# Altium PCB MachChoCaAn.PcbDoc
Units mil, origin at the board's own origin, x right, y up, seen from the top; angles counter-clockwise.
Board outline 1600 x 1725 mil, 2 copper layers (Top Layer, Bottom Layer); 38 components, 30 nets, 129 pads, 17 vias.
Unrouted connection lines stored in the file: 1.
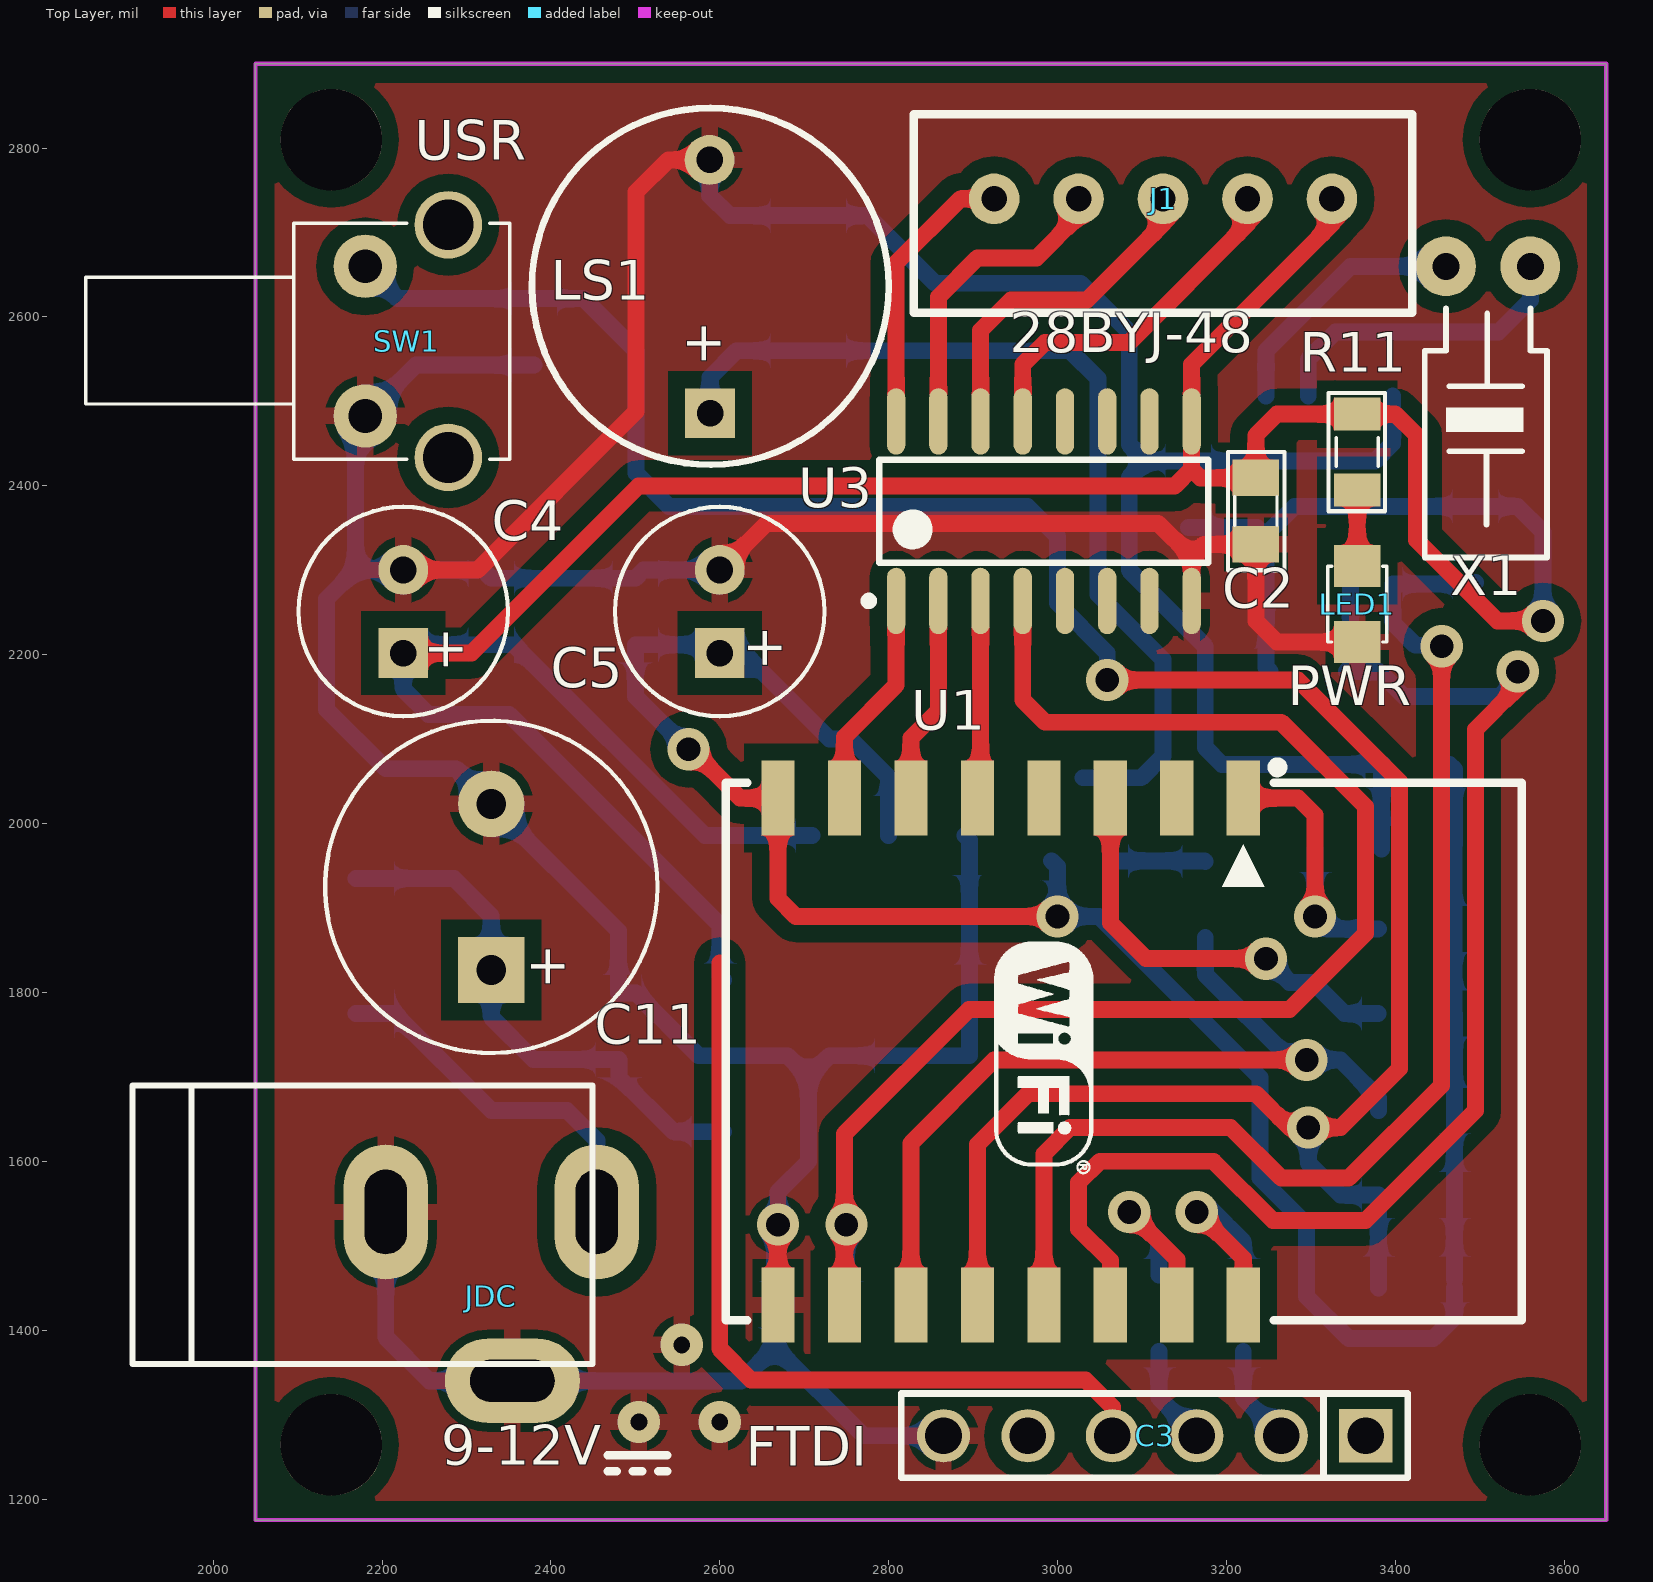
[diagram p0: Top Layer view]
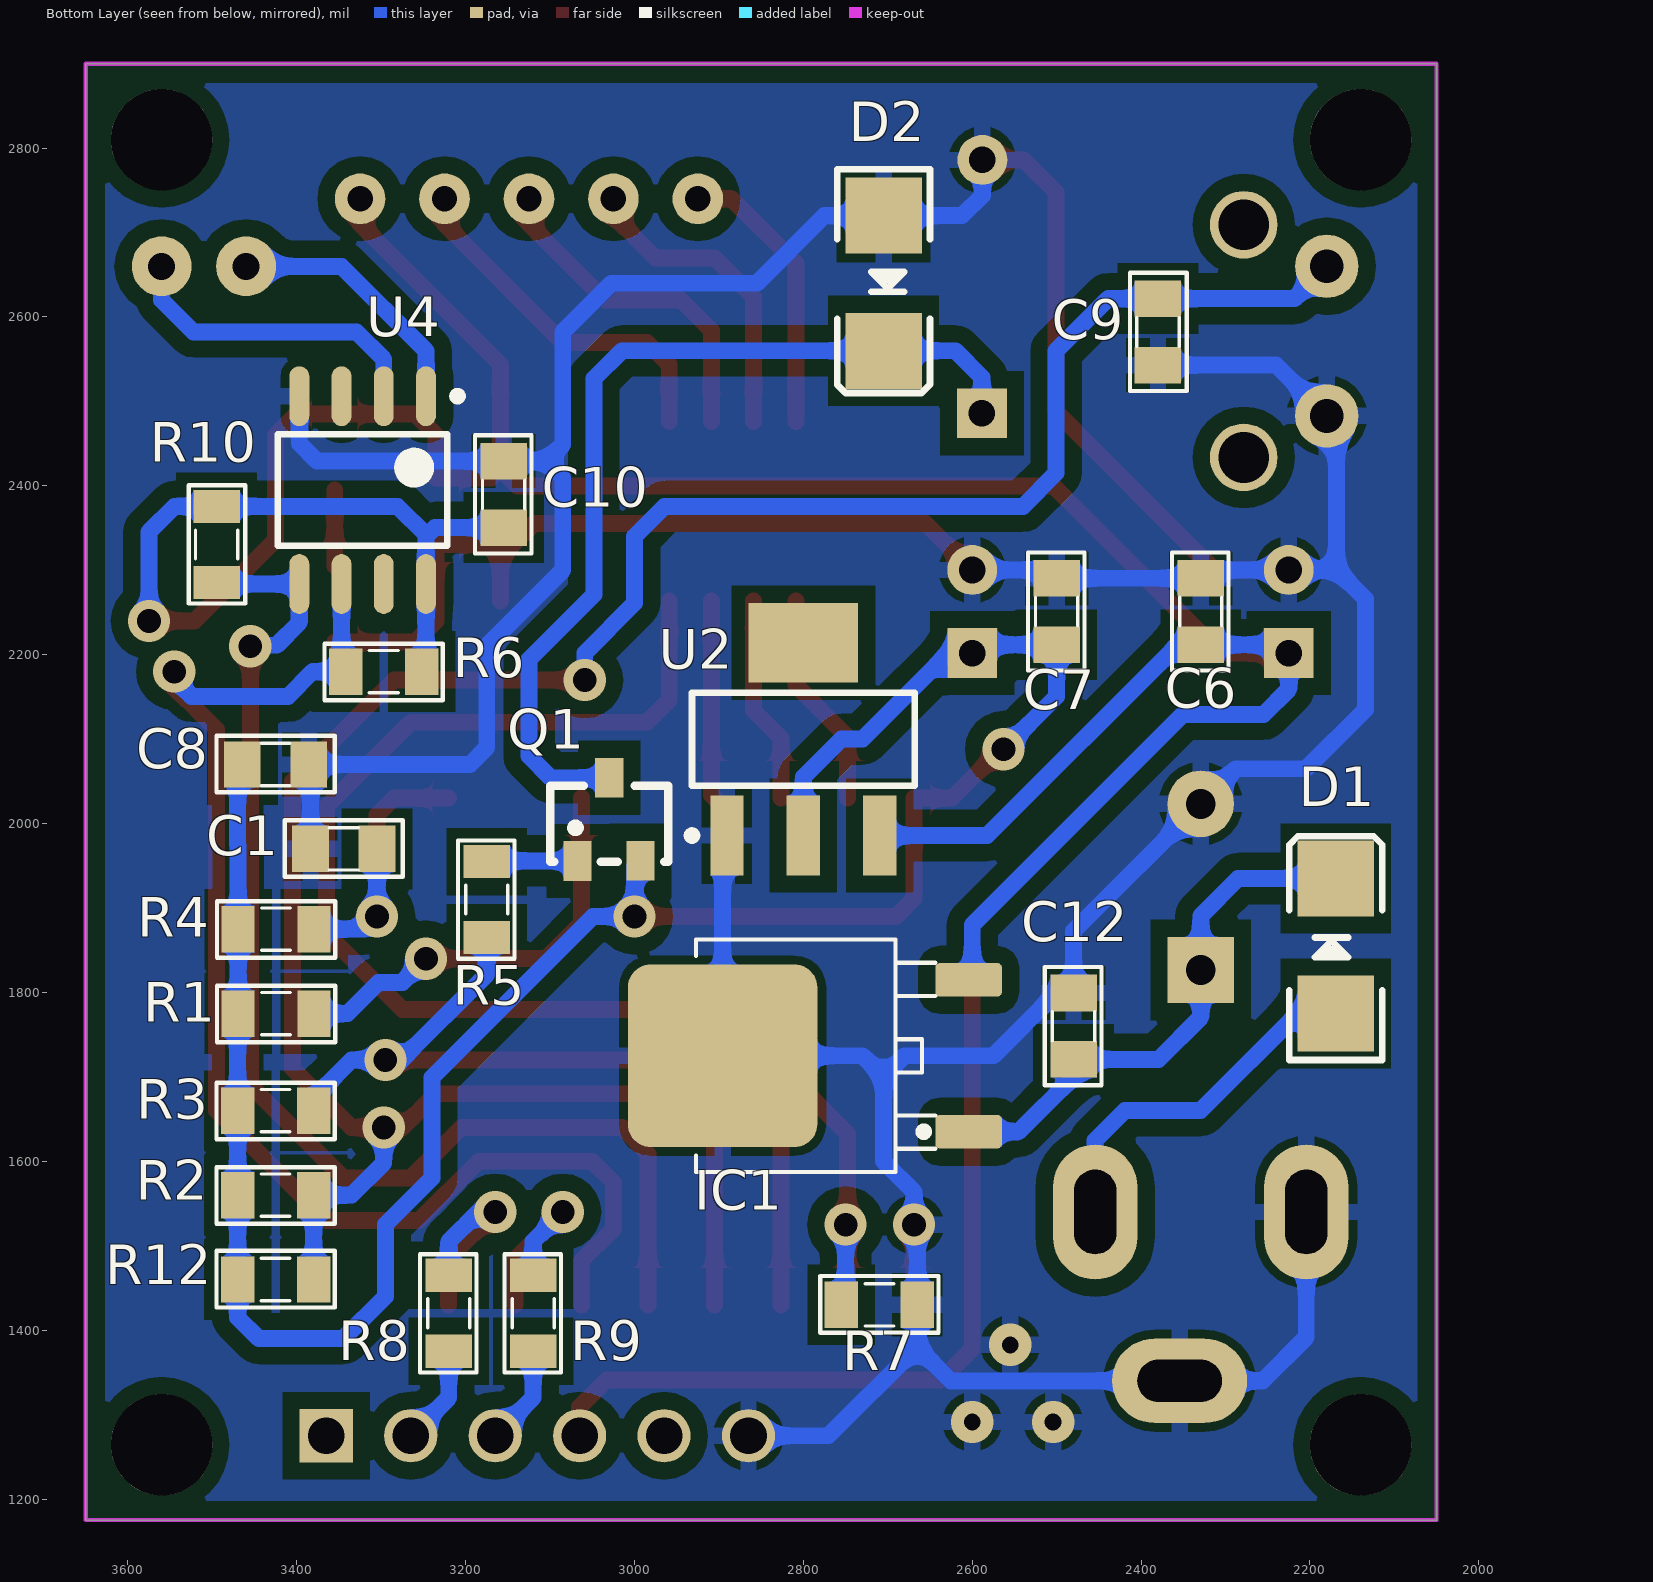
[diagram p1: Bottom Layer view, seen from below]
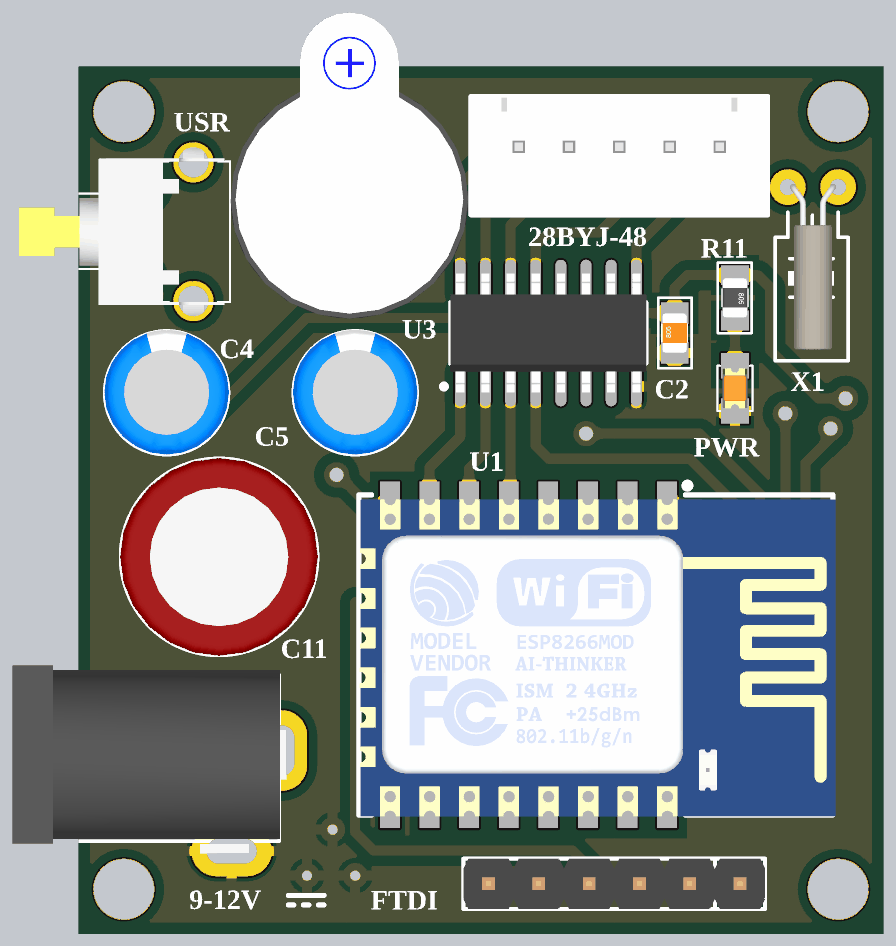
[diagram p2: 3D render of the assembled board from above, using the file's embedded part models]
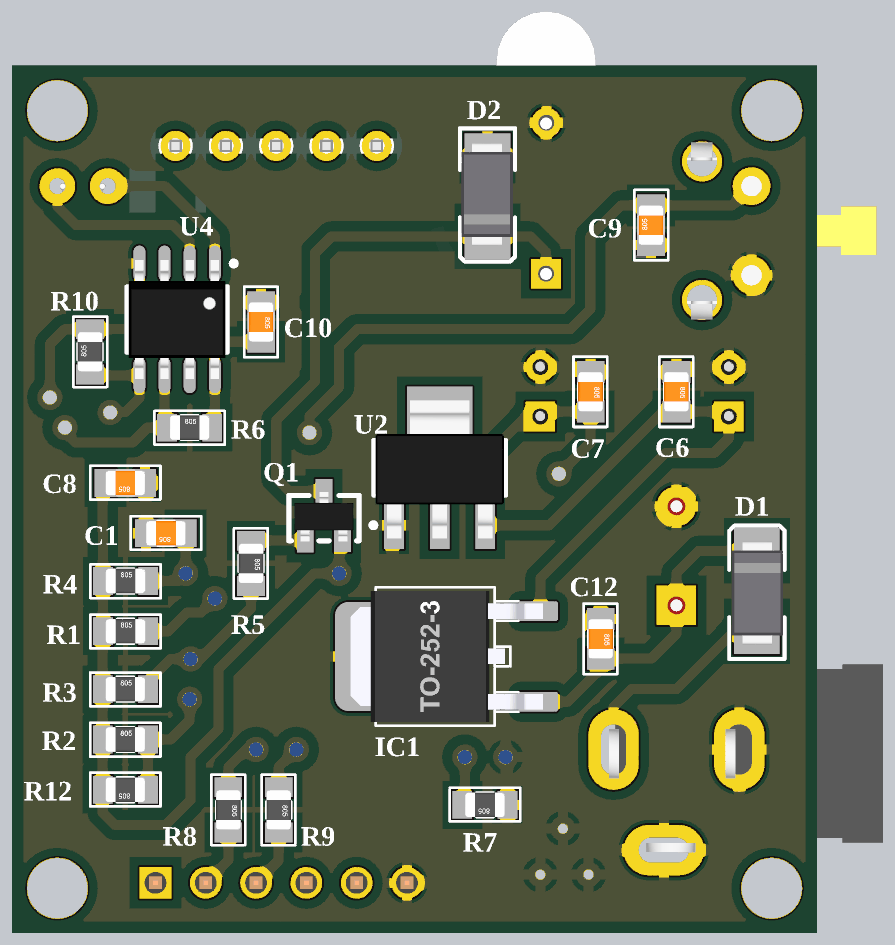
[diagram p3: 3D render of the assembled board from below, using the file's embedded part models]

## Layer stack, top to bottom
Top Solder: solder mask 0.4, Solder Resist, Dk 3.5
Top Layer: signal copper 1.4
Dielectric 1: dielectric 12.6, FR-4, Dk 4.8
Bottom Layer: signal copper 1.4
Bottom Solder: solder mask 0.4, Solder Resist, Dk 3.5

## Board outline
2050,1175 2050,2900 3650,2900 3650,1175
cut-out: 4828,282.5

## Design rules (kind name [scope] priority, off if disabled: settings)
Clearance Clearance_11 [InNamedPolygon('Top Layer-GND')] p1: gap=20 ignorepadtopadclearanceinfootprint=FALSE
Clearance Clearance_10 [InNamedPolygon('Bottom Layer-GND')] p2: gap=20 ignorepadtopadclearanceinfootprint=FALSE
Clearance Clearance_9 [InNamedPolygon('Bottom Layer-No Net')] p3: gap=20 ignorepadtopadclearanceinfootprint=FALSE
Clearance Clearance_8 [InNamedPolygon('Bottom Layer-GND')] p4: gap=20 ignorepadtopadclearanceinfootprint=FALSE
Clearance Clearance_7 [InNamedPolygon('Bottom Layer-GND')] p5: gap=20 ignorepadtopadclearanceinfootprint=FALSE
Clearance Clearance_6 [InNamedPolygon('Top Layer-GND')] p6: gap=20 ignorepadtopadclearanceinfootprint=FALSE
Clearance Clearance_5 [InNamedPolygon('Top Layer-GND') Or  InNamedPolygon('Bottom Layer-GND')] p7: gap=20 ignorepadtopadclearanceinfootprint=FALSE
Clearance Clearance_4 [InNamedPolygon('Top Layer-GND') Or  InNamedPolygon('Bottom Layer-GND')] p8: gap=25 ignorepadtopadclearanceinfootprint=FALSE
Clearance Clearance_3 [InNamedPolygon('Bottom Layer-GND')] p9: gap=25 ignorepadtopadclearanceinfootprint=FALSE
Clearance Clearance_2 [InNamedPolygon('Top Layer-GND')] p10: gap=25 ignorepadtopadclearanceinfootprint=FALSE
Clearance Clearance_1 [InNamedPolygon('Bottom Layer-GND')] p11: gap=25 ignorepadtopadclearanceinfootprint=FALSE
Clearance [All] p12: gap=10 ignorepadtopadclearanceinfootprint=FALSE except(0: Arc-Hole Track-Hole SMDPad-Hole THPad-Hole Via-Hole Fill-Hole Poly-Hole Region-Hole Text-Hole)
PlaneConnect [All] p1: planeconnectstyle=Relief reliefexpansion=20 reliefentries=4 reliefconductorwidth=20 reliefairgap=10
PolygonConnect PolygonConnect_17 [All vs IsNamedPolygon('Top Layer-GND')] p1: connectstyle=Relief reliefconductorwidth=20 reliefentries=4 polygonreliefangle="90 Angle" airgapwidth=10
PolygonConnect PolygonConnect_16 [All vs IsNamedPolygon('Bottom Layer-GND')] p2: connectstyle=Relief reliefconductorwidth=20 reliefentries=4 polygonreliefangle="90 Angle" airgapwidth=10
PolygonConnect PolygonConnect_15 [All vs IsNamedPolygon('Top Layer-GND')] p3: connectstyle=Relief reliefconductorwidth=20 reliefentries=4 polygonreliefangle="90 Angle" airgapwidth=10
PolygonConnect PolygonConnect_14 [All vs IsNamedPolygon('Bottom Layer-No Net')] p4: connectstyle=Relief reliefconductorwidth=20 reliefentries=4 polygonreliefangle="90 Angle" airgapwidth=10
PolygonConnect PolygonConnect_13 [All vs IsNamedPolygon('Bottom Layer-No Net')] p5: thpad.connectstyle=Relief thpad.reliefconductorwidth=20 thpad.reliefentries=4 thpad.polygonreliefangle="90 Angle" thpad.airgapwidth=10 smdpad.connectstyle=Relief smdpad.reliefconductorwidth=20 smdpad.reliefentries=4 smdpad.polygonreliefangle="90 Angle" smdpad.airgapwidth=10 via.connectstyle=Relief via.reliefconductorwidth=10 via.reliefentries=4 via.polygonreliefangle="90 Angle" via.airgapwidth=10
PolygonConnect PolygonConnect_12 [All vs IsNamedPolygon('Top Layer-GND')] p6: thpad.connectstyle=Relief thpad.reliefconductorwidth=20 thpad.reliefentries=4 thpad.polygonreliefangle="90 Angle" thpad.airgapwidth=10 smdpad.connectstyle=Relief smdpad.reliefconductorwidth=20 smdpad.reliefentries=4 smdpad.polygonreliefangle="90 Angle" smdpad.airgapwidth=10 via.connectstyle=Relief via.reliefconductorwidth=10 via.reliefentries=4 via.polygonreliefangle="90 Angle" via.airgapwidth=10
PolygonConnect PolygonConnect_11 [All vs IsNamedPolygon('Bottom Layer-GND')] p7: thpad.connectstyle=Relief thpad.reliefconductorwidth=20 thpad.reliefentries=4 thpad.polygonreliefangle="90 Angle" thpad.airgapwidth=10 smdpad.connectstyle=Relief smdpad.reliefconductorwidth=20 smdpad.reliefentries=4 smdpad.polygonreliefangle="90 Angle" smdpad.airgapwidth=10 via.connectstyle=Relief via.reliefconductorwidth=10 via.reliefentries=4 via.polygonreliefangle="90 Angle" via.airgapwidth=10
PolygonConnect PolygonConnect_10 [All vs IsNamedPolygon('Bottom Layer-GND')] p8: thpad.connectstyle=Direct thpad.reliefconductorwidth=10 thpad.reliefentries=4 thpad.polygonreliefangle="90 Angle" thpad.airgapwidth=10 smdpad.connectstyle=Direct smdpad.reliefconductorwidth=10 smdpad.reliefentries=4 smdpad.polygonreliefangle="90 Angle" smdpad.airgapwidth=10 via.connectstyle=Relief via.reliefconductorwidth=10 via.reliefentries=4 via.polygonreliefangle="90 Angle" via.airgapwidth=10
PolygonConnect PolygonConnect_9 [All vs IsNamedPolygon('Bottom Layer-GND')] p9: thpad.connectstyle=Direct thpad.reliefconductorwidth=10 thpad.reliefentries=4 thpad.polygonreliefangle="90 Angle" thpad.airgapwidth=10 smdpad.connectstyle=Direct smdpad.reliefconductorwidth=10 smdpad.reliefentries=4 smdpad.polygonreliefangle="90 Angle" smdpad.airgapwidth=10 via.connectstyle=Relief via.reliefconductorwidth=10 via.reliefentries=4 via.polygonreliefangle="90 Angle" via.airgapwidth=10
PolygonConnect PolygonConnect_8 [All vs IsNamedPolygon('Top Layer-GND')] p10: thpad.connectstyle=Direct thpad.reliefconductorwidth=10 thpad.reliefentries=4 thpad.polygonreliefangle="90 Angle" thpad.airgapwidth=10 smdpad.connectstyle=Direct smdpad.reliefconductorwidth=10 smdpad.reliefentries=4 smdpad.polygonreliefangle="90 Angle" smdpad.airgapwidth=10 via.connectstyle=Relief via.reliefconductorwidth=10 via.reliefentries=4 via.polygonreliefangle="90 Angle" via.airgapwidth=10
PolygonConnect PolygonConnect_7 [All vs IsNamedPolygon('Top Layer-GND') Or  IsNamedPolygon('Bottom Layer-GND')] p11: thpad.connectstyle=Direct thpad.reliefconductorwidth=10 thpad.reliefentries=4 thpad.polygonreliefangle="90 Angle" thpad.airgapwidth=10 smdpad.connectstyle=Direct smdpad.reliefconductorwidth=10 smdpad.reliefentries=4 smdpad.polygonreliefangle="90 Angle" smdpad.airgapwidth=10 via.connectstyle=Relief via.reliefconductorwidth=10 via.reliefentries=4 via.polygonreliefangle="90 Angle" via.airgapwidth=10
PolygonConnect PolygonConnect_6 [All vs IsNamedPolygon('Top Layer-GND')] p12: thpad.connectstyle=Relief thpad.reliefconductorwidth=20 thpad.reliefentries=4 thpad.polygonreliefangle="90 Angle" thpad.airgapwidth=10 smdpad.connectstyle=Relief smdpad.reliefconductorwidth=20 smdpad.reliefentries=4 smdpad.polygonreliefangle="90 Angle" smdpad.airgapwidth=10 via.connectstyle=Relief via.reliefconductorwidth=10 via.reliefentries=4 via.polygonreliefangle="90 Angle" via.airgapwidth=10
PolygonConnect PolygonConnect_5 [All vs IsNamedPolygon('Bottom Layer-GND')] p13: thpad.connectstyle=Relief thpad.reliefconductorwidth=20 thpad.reliefentries=4 thpad.polygonreliefangle="90 Angle" thpad.airgapwidth=10 smdpad.connectstyle=Relief smdpad.reliefconductorwidth=20 smdpad.reliefentries=4 smdpad.polygonreliefangle="90 Angle" smdpad.airgapwidth=10 via.connectstyle=Relief via.reliefconductorwidth=10 via.reliefentries=4 via.polygonreliefangle="90 Angle" via.airgapwidth=10
PolygonConnect PolygonConnect_4 [All vs IsNamedPolygon('Top Layer-GND')] p14: thpad.connectstyle=Relief thpad.reliefconductorwidth=20 thpad.reliefentries=4 thpad.polygonreliefangle="90 Angle" thpad.airgapwidth=10 smdpad.connectstyle=Relief smdpad.reliefconductorwidth=20 smdpad.reliefentries=4 smdpad.polygonreliefangle="90 Angle" smdpad.airgapwidth=10 via.connectstyle=Relief via.reliefconductorwidth=10 via.reliefentries=4 via.polygonreliefangle="90 Angle" via.airgapwidth=10
PolygonConnect PolygonConnect_3 [All vs IsNamedPolygon('Bottom Layer-GND')] p15: thpad.connectstyle=Relief thpad.reliefconductorwidth=20 thpad.reliefentries=4 thpad.polygonreliefangle="90 Angle" thpad.airgapwidth=10 smdpad.connectstyle=Relief smdpad.reliefconductorwidth=10 smdpad.reliefentries=4 smdpad.polygonreliefangle="90 Angle" smdpad.airgapwidth=10 via.connectstyle=Relief via.reliefconductorwidth=10 via.reliefentries=4 via.polygonreliefangle="90 Angle" via.airgapwidth=10
PolygonConnect PolygonConnect_2 [All vs IsNamedPolygon('Top Layer-GND')] p16: thpad.connectstyle=Relief thpad.reliefconductorwidth=20 thpad.reliefentries=4 thpad.polygonreliefangle="90 Angle" thpad.airgapwidth=10 smdpad.connectstyle=Relief smdpad.reliefconductorwidth=10 smdpad.reliefentries=4 smdpad.polygonreliefangle="90 Angle" smdpad.airgapwidth=10 via.connectstyle=Relief via.reliefconductorwidth=10 via.reliefentries=4 via.polygonreliefangle="90 Angle" via.airgapwidth=10
PolygonConnect PolygonConnect_1 [All vs IsNamedPolygon('Bottom Layer-GND')] p17: thpad.connectstyle=Direct thpad.reliefconductorwidth=10 thpad.reliefentries=4 thpad.polygonreliefangle="90 Angle" thpad.airgapwidth=10 smdpad.connectstyle=Relief smdpad.reliefconductorwidth=10 smdpad.reliefentries=4 smdpad.polygonreliefangle="90 Angle" smdpad.airgapwidth=10 via.connectstyle=Relief via.reliefconductorwidth=10 via.reliefentries=4 via.polygonreliefangle="90 Angle" via.airgapwidth=10
PolygonConnect [All] p18: connectstyle=Relief reliefconductorwidth=10 reliefentries=4 polygonreliefangle="90 Angle" airgapwidth=10
RoutingVias [All] p1: holewidth=28 width=50 viastyle="Through Hole" minholewidth=28 minwidth=50 maxholewidth=28 maxwidth=50
SolderMaskExpansion [All] p1: expansion=4
Width [All] p1: maxlimit=100 minlimit=10 preferedwidth=30
29 further rules are at their usual default settings.

## Components (designator, comment, footprint, x,y, rotation, side; value= is the part's Value field where it differs from the comment)
C1 "100nF" CN-SMD-0805 3344.36,1970.01 r0 bottom value=33pF
C2 "100nF" CN-SMD-0805 3235,2370 r90 top value=33pF
C3 "FTDI" JP6-D1T 3365,1275 r180 top
C4 "100uF" CA-ALU-6.3 2225.15,2251.17 r90 top locked value=104
C5 "100uF" CA-ALU-6.3 2599.99,2251.17 r90 top locked value=104
C6 "100nF" CN-SMD-0805 2329.36,2251.17 r270 bottom value=33pF
C7 "100nF" CN-SMD-0805 2499.99,2251.17 r270 bottom value=33pF
C8 "100nF" CN-SMD-0805 3425,2070 r0 bottom value=33pF
C9 "100nF" CN-SMD-0805 2380,2582.4 r90 bottom value=33pF
C10 "100nF" CN-SMD-0805 3155,2390 r270 bottom value=33pF
C11 "470uF" CA-ALU-10RL 2329.36,1925 r90 top locked value=104
C12 "100nF" CN-SMD-0805 2480,1760 r270 bottom value=33pF
D1 "Diode SMD" DIO-SMD-106 2169.36,1855 r270 bottom value=1N5007
D2 "Diode SMD" DIO-SMD-106 2705,2640 r90 bottom value=1N5007
IC1 "LM78xx" TO252-123 2750,1725 r90 bottom
J1 "28BYJ-48" XH2.54-5P 3325,2740 r180 top locked
JDC "9-12V" DC0 2329.36,1440 r0 top value="Jac DC"
LED1 "PWR" LED-0805-Orange 3355,2305 r270 top value="LED 3 - 5 ly 2 Colour"
LS1 "Speaker" SPEAKER 2588.5,2486 r90 top locked
Q1 "A1015" SOT23B 3025,2000 r180 bottom
R1 "10k" RES-SMD-0805 3424.5,1775 r180 bottom
R2 "10k" RES-SMD-0805 3425,1560 r180 bottom
R3 "10k" RES-SMD-0805 3425,1660 r180 bottom
R4 "10k" RES-SMD-0805 3424.5,1875 r180 bottom
R5 "1k" RES-SMD-0805 3175,1910 r270 bottom
R6 "10k" RES-SMD-0805 3297,2180 r180 bottom
R7 "10k" RES-SMD-0805 2710,1430 r0 bottom
R8 "470R" RES-SMD-0805 3220,1420 r270 bottom
R9 "470R" RES-SMD-0805 3120,1420 r270 bottom
R10 "10k" RES-SMD-0805 3495,2330.64 r90 bottom
R11 "1k" RES-SMD-0805 3355,2440 r270 top
R12 "10k" RES-SMD-0805 3425,1460 r0 bottom
SW1 "USR" SW1-DIP 2180,2660 r270 top value="SW chip 2 pin"
U1 "ESP8266 ESP_12" "ESP8266 ESP_12" 2944.5,1730 r270 top locked
U2 "AMS1117-3.3V" SOT223 2800,2100 r180 bottom locked
U3 "ULN2003A" SO16 2983.87,2370 r90 top locked
U4 "DS1307" DS1307 3320,2390 r0 bottom
X1 "32.768kHz" XT32k 3560,2660 r270 top value=4Mhz

## Footprints (in the part's own frame and the unit in brackets; to place one, negate y for a bottom-side part, rotate by r counter-clockwise, add the part's x,y. Pads: shape width x height; smd on the part's side, far side on the other; paste and mask are expansions set on the pad)
CA-ALU-6.3 [mm] "Polarized capacitors, Aluminum Electrolytic Capacitors, 2-Leads, Body 6.3x15x2.5x0.5"
  rect 1.5x1.5 hole 0.8: 1(-1.25,0)
  round 1.5 hole 0.8: 2(1.25,0)
  silkscreen extent -3.15,-3.15 3.15,3.15, body extent -3.12,-3.15 3.18,3.15, height 11
CA-ALU-10RL [mm] "Polarized capacitors, Aluminum Electrolytic Capacitors, 2-Leads, Body 10x20x5x0.6"
  rect 2x2 hole 0.9: 1(-2.5,0)
  round 2 hole 0.9: 2(2.5,0)
  silkscreen extent -5,-5 5,5, body extent -5,-5 5,5, height 12
CN-SMD-0805 [mil]
  rect 43.31x55 smd: 1(-39.36,0.01) 2(39.37,0.01)
  silkscreen extent -70,-34 70,33, body extent -39,-25 39,25, height 31
DC0 [mil] "Jac DC input"
  oval 100x160 hole 50 slot 100 at 90 deg: 1(125,100) 2(-125,100)
  oval 160x100 hole 50 slot 100 at 0 deg: 3(25,-100)
  silkscreen extent -425,-80 120,250, body extent -410,-105 134,269, height 434
DIO-SMD-106 [mil]
  rect 90x90.55 smd: 1(80,0) 2(-80,0)
  silkscreen extent -130,-55 135,55, body extent -99,-50 106,52, height 95
DS1307 [mm]
  oval 0.6x1.8 smd: 1(-1.854,-2.952) 2(-0.584,-2.952) 3(0.686,-2.952) 4(1.956,-2.952) 5(1.956,2.698) 6(0.686,2.698) 7(-0.584,2.698) 8(-1.854,2.698)
  silkscreen extent -2.93,-3.08 2.6,1.55, body extent -2.4,-3.12 2.5,2.87, height 1.6
"ESP8266 ESP_12" [mm] "ESP8266 ESP-12"
  rect 2.25x1 smd: 1(-7.625,7) 2(-7.625,5) 3(-7.625,3) 4(-7.625,1) 5(-7.625,-1) 6(-7.625,-3) 7(-7.625,-5) 8(-7.625,-7) 9(7.625,-7) 10(7.625,-5) 11(7.625,-3) 12(7.625,-1) 13(7.625,1) 14(7.625,3) 15(7.625,5) 16(7.625,7)
  silkscreen extent -8.7,-8.57 8.08,15.37, body extent -7.86,-8.52 8.16,15.51, height 3.82
JP6-D1T [mm] "6 pins, 1 row, straight, gold plating"
  rect 1.6x1.6 hole 1.1: 1(0,0)
  round 1.6 hole 1.1: 2(2.54,0) 3(5.08,0) 4(7.62,0) 5(10.16,0) 6(12.7,0)
  silkscreen extent -1.27,-1.27 13.97,1.27, body extent -1.27,-1.27 13.97,1.27, height 8.54
LED-0805-Orange [mil]
  rect 50x55 smd: 1(0,0) 2(90,0)
  silkscreen extent 0,-35 90,35, body extent 5,-25 85,25, height 43
RES-SMD-0805 [mil]
  rect 39.37x55 smd: 1(-45,0) 2(45,0)
  silkscreen extent -70,-34 70,33, body extent -39,-25 39,25, height 31
SO16 [mm] "SOIC, 16-Leads, Body 9.90x3.91mm, Pitch 1.27mm, IPC Medium Density"
  oval 2x0.55 smd: 1(-2.7,4.445) 2(-2.7,3.175) 3(-2.7,1.905) 4(-2.7,0.635) 5(-2.7,-0.635) 6(-2.7,-1.905) 7(-2.7,-3.175) 8(-2.7,-4.445) 9(2.7,-4.445) 10(2.7,-3.175) 11(2.7,-1.905) 12(2.7,-0.635) 13(2.7,0.635) 14(2.7,1.905) 15(2.7,3.175) 16(2.7,4.445)
  silkscreen extent -2.82,-4.95 1.55,5.39, body extent -3,-4.95 3,4.95, height 1.4
SOT23B [mm] "SOT 23B"
  rect 0.85x1.2 smd: 1(-1.077,-1.123) 2(-0.127,1.377) 3(0.813,-1.118)
  silkscreen extent -1.91,-1.14 1.65,1.14, body extent -1.63,-1.17 1.37,1.33, height 1.06
SOT223 [mm]
  rect 1x2.4 smd: 1(-2.3,-2.9) 2(0,-2.9) 3(2.3,-2.9)
  rect 3.3x2.4 smd: 4(0,2.9)
  silkscreen extent -3.48,-3.02 3.35,1.4, body extent -3.25,-3.56 3.25,3.4, height 1.68
SPEAKER [mm]
  rect 1.5x1.5 hole 0.8: 1(0,0)
  round 1.5 hole 0.8: 2(7.62,0.013)
  silkscreen extent -1.55,-5.38 9.18,5.36, body extent -2.22,-6 13.24,6, height 4.5
SW1-DIP [mil]
  round 75 hole 40: 1(0,0) 2(177.16,0)
  round 80 hole 60: ""(-49.21,98.43) ""(226.38,98.43)
  silkscreen extent -51,-331 228,171, body extent -87,-398 265,160, height 283
TO252-123 [mm]
  round 0.5 on Mech15: 0(0,0)
  rrect25% 1x2 smd: 1(-2.285,-3.7) 3(2.285,-3.7)
  rrect25% 5.5x5.7 smd: 2(0,3.7)
  silkscreen extent -3.5,-2.7 3.5,4.5, body extent -3.3,-3.95 3.3,5.76, height 2.31
XH2.54-5P [mil]
  round 60 hole 30: 1(0,0) 2(100,0) 3(200,0) 4(300,0) 5(400,0)
  silkscreen extent -95,-100 495,135, body extent -92,-98 492,132, height 118
XT32k [mm]
  round 1.8 hole 0.813: 1(0,0) 2(0,-2.54)
  silkscreen extent 1.27,-3.17 8.76,0.51, body extent -0.15,-2.42 8.2,-0.12, height 1.95

## Part data
C1 C2 C6 C7 C8 C9 C10 C12: library part CN
C3: library part JP6, "WR-PHD 2.54 mm Angled Socket Header", Manufacturer="Würth Elektronik eiSos GmbH", partNo=613006143121, ComponentLink1 Description=Manufacturer, ComponentLink1URL=http://www.we-online.com, ComponentLink2 Description=Datasheet, ComponentLink2URL=http://katalog.we-online.de/em/datasheet/6130xx143121.pdf, Created by="Karrer Zheng", Created Date="29 March 2013", NoPins=06
C4 C5 C11: library part CN-ALU-DIP, "Capacitor (Semiconductor SIM Model)", LatestRevisionDate=17-Jul-2002, LatestRevisionNote="Re-released for DXP Platform.", PackageReference=C1206, Publisher="Altium Limited"
D1 D2: "Default Diode", Code - JEDEC=DO-214-AB, Published=8-Jun-2000, Publisher="Altium Limited", Revision="July-2002: Re-released for DXP Platform."
IC1: "Positive Voltage Regulator", ComponentLink1Description="Manufacturer Link", ComponentLink1URL=http://www.st.com/, ComponentLink2Description=Datasheet, ComponentLink2URL=http://www.st.com/stonline/products/literature/ds/2146/l78m05c.pdf, DatasheetVersion=Apr-1994, LatestRevisionDate=17-Jul-2002, LatestRevisionNote="Re-released for DXP Platform.", Note="Tab is connected to pin 3 (GND).", PackageDescription="TO, Thru-Hole, Vertical, Heatsink Mounted; 3 In-Line Leads; Pitch 2.54 mm; Pin sequence 1, 3, 2", PackageReference=ISOWATT220AB, PackageVersion=Jul-1998, Published=24-Aug-2001, Publisher="Altium Limited"
J1: library part XH2.54-5P
JDC: library part DCIN, "Jac DC input"
LED1: library part "LED SMD"
LS1: "Loudspeaker", LatestRevisionDate=17-Jul-2002, LatestRevisionNote="Re-released for DXP Platform.", PackageReference=PIN2, Published=24-Mar-1999, Publisher="Altium Limited"
Q1: "D醤", Chung_Loai=D醤, Don_Vi=Con, Ma_Hang=MH001957, Ten_Linh_Kien="A1015 SOT23 TRANS PNP 0.15A 50V ( SMD-BA)"
R1 R2 R3 R4 R5 R6 R7 R8 R9 R10 R11 R12: library part Res-SMD, "Resistor", Manufacturer="Generic Components", Class=Passive, Published=08/06/2000, Publisher="Altium Hobart Technology Centre"
SW1: library part SW2, "Switch button 2 pin"
U1: "ESP8266 ESP-12", IC=ESP8266-EX, LatestReviewer="Zion Blue", LatestRevisionData=14-Apr-2015, LatestRevisionNote="Include 3D body and Footprint", Published=14-Apr-2015, Publisher="Cynetik Group", Vendor=Ai-thinker
U2: library part LM1117, "800mA Low-Dropout Linear Regulator", Creator="Nguyen Ba Bien", Website=http://group3i.net
U3: "High-Voltage, High-Current Darlington Array", Code_JEDEC=MS-001-BB, ComponentLink1Description="Manufacturer Link", ComponentLink1URL=http://www.allegromicro.com/, DatasheetVersion=1998, LatestRevisionDate=06-Jun-2005, LatestRevisionNote="Stylized 3D Model Added.", PackageDescription="DIP; 16 Leads; Row Spacing 7.62 mm; Pitch 2.54 mm", PackageReference=A16, PackageVersion=1998, Published=13-Oct-2000, Publisher="Altium Limited"
X1: library part XT2, "Crystal, 32.768 KHz, -40 to 85 degC, 3.2 x 1.5 x 0.9 mm SMD"

## Free pads (board coordinates)
  round 120 hole 120: 3(2140,2810) 4(3560,2810) 5(2140,1264.17) 6(3560,1264.17)

## Via types
v1: diameter 50, hole 28, Top Layer to Bottom Layer, tented both sides, 14 vias
v2: diameter 50/50 (per signal layer), hole 20, Top Layer to Bottom Layer, tented both sides, 3 vias

## Nets (pads, with @x,y where several pads share a name; then routed paths per layer and width w, separated by ;. In a path a pad name is that pad's centre, name@x,y a point inside that pad or via, vN(x,y) a via of type N, cw(c..) or ccw(c..) an arc to the next point about the centre after c; other vN are vias at no path point)
+3.3: C5.1 C7.2 C8.2 Q1.3 R1.1 R2.1 R3.1 R4.1 R12.2 U1.8 U2.2 | length 2701.2
  Top Layer w20: v1(2563,2088) 2563,2091.16 2623.96,2030.2 U1.8 2668.91,1911.09 2690,1890 v1(3000,1890)
  Bottom Layer w20: v1(2563,2088) 2562.64,2088 2499.99,2150.64 C7.2 2590.16,2211.79 C5.1 2628.04,2201.96 2730,2100 2755,2100 2800,2055 U2.2 ; Q1.3 3000,1949 v1(3000,1890) 3049.21,1890 3240,1699.21 3240,1580 3295,1525 3295,1440 3345,1390 3445,1390 3470,1415 R12.2@3470,1450 ; C8.2 3470,2064.37 3470,1974.87 3469.5,1974.37 R4.1 R1.1 3470,1774.5 R3.1 R2.1 R12.2
+5: C2.2 C3.4 C4.1 C6.2 C10.2 IC1.3 J1.1 R6.2 R10.2 R11.1 U2.3 U3.9 U4.8 | length 4953.7
  Top Layer w20: C4.1 2305.83,2201.96 2503.87,2400 3138.87,2400 3158.87,2420 ; 2600,1835 2600,1378 2637,1341 3033,1341 3065,1309 C3.4 ; J1.1 3325,2710 3158.87,2543.87 U3.9 3158.87,2420 ; v1(3575,2240) 3521.01,2240 3425,2336.01 3425,2460 3400,2485 R11.1 3260,2485 3234.99,2459.99 C2.2 3169.5,2409.37 3158.87,2420
  Bottom Layer w20: IC1.3 2600,1819.29 2600,1880 2350.64,2129.36 2254.87,2129.36 2225.15,2159.09 C4.1 2234.98,2211.79 C6.2 2356.29,2211.79 2582.26,1985.83 U2.3 ; C10.2 3236.38,2350.63 3246,2341 3280.63,2375.63 R10.2 3545,2375.63 3575,2345.63 v1(3575,2240) ; 3247,2340 U4.8 3247,2185 R6.2
ADC: U1.2
EN: R1.2 U1.3 | length 509.2
  Top Layer w20: U1.3 3062.61,1882.39 3105,1840 v1(3247,1840)
  Bottom Layer w20: v1(3247,1840) 3275,1812 3303,1812 3340,1775 R1.2
GND: C1.2 C2.1 C3.6 C4.2 C5.2 C6.1 C7.1 C8.1 C9.1 C10.1 C11.2 C12.1 D2.1 IC1.2 JDC.2 JDC.3 LED1.2 LS1.2 R7.1 SW1.2 U1.9 U2.1 U3.8 U4.4 | length 7107.4
  Top Layer w20: C4.2 2313.38,2300.38 2501,2488 2501,2748 2539,2786 LS1.2 ; C5.2 2655.25,2355.64 3119.36,2355.64 3158.87,2316.13 ; U1.9 v1(2668.91,1525) ; U3.8 3158.87,2316.13 ; LED1.2 3260,2215 3234.99,2240.01 C2.1 3173.38,2330.64 3158.87,2316.13
  Bottom Layer w20: JDC.2 2204.36,1391.64 2256,1340 JDC.3 2625,1340 2665,1380 ; C9.1 2240.2,2543.04 SW1.2 2168.57,2471.41 2168.57,2300.38 ; LS1.2 2588,2744 2612,2720 D2.1 2775,2720 2855,2640 3027.4,2640 3085,2582.4 3085,2448.73 3104.36,2429.36 ; C5.2 2509.84,2300.38 C7.1 C6.1 2319.5,2300.38 C4.2 2168.57,2300.38 ; C3.6 2770,1275 2665,1380 ; U2.1 2895.67,1980.71 IC1.2 2730,1725 2705,1700 ; C1.2 C8.1@3383.74,2068.1 ; C8.1 3195.01,2069.99 3175,2090 3175,2210 3085,2300 3085,2410 3104.36,2429.36 ; U4.4 3397,2450 3376.37,2429.36 C10.1 3104.36,2429.36 ; 2168.57,2300.38 2134.36,2266.17 2134.36,2135 2204.36,2065 2287.79,2065 C11.2 2479.99,1872.8 C12.1 2500.64,1799.36 2575,1725 2680,1725 2705,1700 ; 2665,1380 R7.1 2665,1521.09 v1(2668.91,1525) 2668.91,1563.91 2705,1600 2705,1700
  other v2: 2504.1,1291.27 2599.99,1291.27 2555,1382.63
GPIO0: C9.2 R2.2 R12.1 SW1.1 U1.12 | length 2979
  Top Layer w20: U1.12 2905.13,1620.13 2965,1680 3235,1680 3275,1640 v1(3297,1640) 3335,1640 3405,1710 3405,2050 3285,2170 v1(3058.87,2170)
  Bottom Layer w20: SW1.1 2218.22,2621.78 C9.2 2438.84,2621.78 2500.64,2559.98 2500.64,2415 2540,2375.63 2964.37,2375.63 3000,2340 3000,2261.01 3058.87,2202.14 v1(3058.87,2170) ; v1(3297,1640) 3297,1598 3335,1560 R2.2 R12.1@3380,1450
GPIO2: R3.2 R5.2 U1.11 | length 1025.3
  Top Layer w20: U1.11 2826.39,1621.39 2925,1720 v1(3295,1720)
  Bottom Layer w20: R5.2 3175,1821.38 3276.38,1720 v1(3295,1720) 3335,1720 3380,1675 R3.2
GPIO4: R10.1 U1.13 U4.5 | length 1467.7
  Top Layer w20: U1.13 2983.87,1608.87 3015,1640 3205,1640 3265,1580 3345,1580 3455,1690 v1(3455,2210)
  Bottom Layer w20: v1(3455,2210) 3453.74,2211.26 3423.74,2211.26 3397,2238 U4.5 3493.15,2283.78 R10.1
GPIO5: R6.1 U1.14 U4.6 | length 1603.1
  Top Layer w20: U1.14 3062.61,1482.39 3025,1520 3025,1575 3050,1600 3185,1600 3255,1530 3365,1530 3495,1660 3495,2111.65 3545,2161.65 v1(3545,2180)
  Bottom Layer w20: U4.6 3347,2185 R6.1 3381.13,2180 3410.49,2150.64 3524.51,2150.64 3545,2171.13 v1(3545,2180)
GPIO12: U1.6 U3.2 | length 247
  Top Layer w20: U1.6 2826.39,2101.39 2858.87,2133.87 U3.2
GPIO13: U1.7 U3.1 | length 258.9
  Top Layer w20: U1.7 2747.65,2102.65 2808.87,2163.87 U3.1
GPIO14: U1.5 U3.3 | length 235.1
  Top Layer w20: U1.5 2908.87,2033.94 U3.3
GPIO15: R7.2 U1.10 U3.4 | length 1753.6
  Top Layer w20: U1.10 2747.65,1632.65 2895,1780 3275,1780 3365,1870 3365,2020 3265,2120 2985,2120 2958.87,2146.13 U3.4
  Bottom Layer w20: R7.2 2750,1435 v1(2750,1525) 2750,1530 v1@2755,1535
GPIO16: U1.4
NetC3_2: C3.2 R8.2 | length 118.6
  Bottom Layer w20: R8.2 3220,1320 C3.2
NetC3_3: C3.3 R9.2 | length 118.6
  Bottom Layer w20: R9.2 3120,1320 C3.3
NetC11_1: C11.1 C12.2 D1.2 IC1.1 | length 641.6
  Bottom Layer w20: D1.2 2285,1935 2329.36,1890.64 C11.1 2329.36,1770.64 2379.37,1720.63 C12.2 2480.62,1720 2480.62,1699.38 2544.96,1635.04 IC1.1
NetD1_1: D1.1 JDC.1 | length 431.8
  Bottom Layer w20: D1.1 2214.4,1775 2329.4,1660 2418.84,1660 2454.36,1624.48 JDC.1
NetD2_2: D2.2 LS1.1 Q1.2 | length 1113.2
  Bottom Layer w20: LS1.1 2588.5,2528.5 2620,2560 D2.2 3015,2560 3048.04,2526.96 3048.04,2271.17 3124.87,2194.34 3124.87,2079.87 3099.21,2054.21 Q1.2
NetJ1_2: J1.2 U3.13 | length 432.5
  Top Layer w20: U3.13 2958.87,2543.87 2985,2570 3085,2570 3225,2710 J1.2
NetJ1_3: J1.3 U3.14 | length 405.9
  Top Layer w20: U3.14 2908.87,2583.87 2945,2620 3035,2620 3125,2710 J1.3
NetJ1_4: J1.4 U3.15 | length 373.5
  Top Layer w20: U3.15 2858.87,2623.87 2905,2670 2975,2670 3025,2720 J1.4
NetJ1_5: J1.5 U3.16 | length 335.2
  Top Layer w20: U3.16 2808.87,2663.87 2885,2740 J1.5
NetLED1_1: LED1.1 R11.2 | length 90
  Top Layer w20: LED1.1 R11.2
NetQ1_1: Q1.1 R5.1 | length 107.9
  Bottom Layer w20: Q1.1 3174.21,1955.79 R5.1
NetU4_1: U4.1 X1.2 | length 308.2
  Bottom Layer w20: U4.1 3247,2560 3347,2660 X1.2
NetU4_2: U4.2 X1.1 | length 375.8
  Bottom Layer w20: U4.2 3297,2550 3329.4,2582.4 3522.4,2582.4 3560,2620 X1.1
nRST: C1.1 R4.2 U1.1 | length 374.7
  Top Layer w20: U1.1 3284.8,2030.2 3305,2010 v1(3305,1890)
  Bottom Layer w20: C1.1 v1(3305,1890) 3320,1875 R4.2 R4.2@3380,1875.5
RXD0: R9.1 U1.15 | length 223
  Top Layer w20: v1(3085,1540) 3141.35,1483.65 U1.15
  Bottom Layer w20: v1(3085,1540) 3120,1505 R9.1
TXD0: R8.1 U1.16 | length 242.5
  Top Layer w20: v1(3165,1540) 3220.09,1484.91 U1.16
  Bottom Layer w20: v1(3165,1540) 3185,1540 3220,1505 R8.1
pads on no net: C3.1 C3.5 IC1.0 SW1. U2.4 U3.5 U3.6 U3.7 U3.10 U3.11 U3.12 U4.3 U4.7

## Polygon pours and split planes (outlines as drawn)
GND on Top Layer "Top Layer-GND" (solid, remove dead copper, pour order 0): 2050,1175 2050,2900 3650,2900 3650,1175
GND on Bottom Layer "Bottom Layer-GND" (solid, remove dead copper, pour order 1): 2050,1175 2050,2900 3650,2900 3650,1175

## Keep-outs
Keep-Out Layer:
  the board outline again, w5

## Silkscreen, mask and mechanical layers (free items; w line width, h text height)
Top Overlay:
  lines w10: 2467,1233 2478,1233 ; 2467,1252 2538,1252 ; 2497,1233 2508,1233 ; 2527,1233 2538,1233
  text "FTDI" at 2631,1224 h80

## Text inside footprints (layer, text, board x,y; h text height)
C4: Top Overlay "+" at 2311,2179 h80 r90
C5: Top Overlay "+" at 2689,2181 h80 r90
C11: Top Overlay "+" at 2432,1804 h80 r90
LS1: Top Overlay "+" at 2616.5,2541.5 h80 r90
U1: Mechanical 13 "ANTENNA AREA" at 3530.09,2039.96 h10 r270; Mechanical 13 "CUTOUT POLYGON" at 3510.09,2039.96 h10 r270